# EAGLE board Mk4 Final a Panel score (EAGLE 9.0.1), part 11 of 24 (continued)
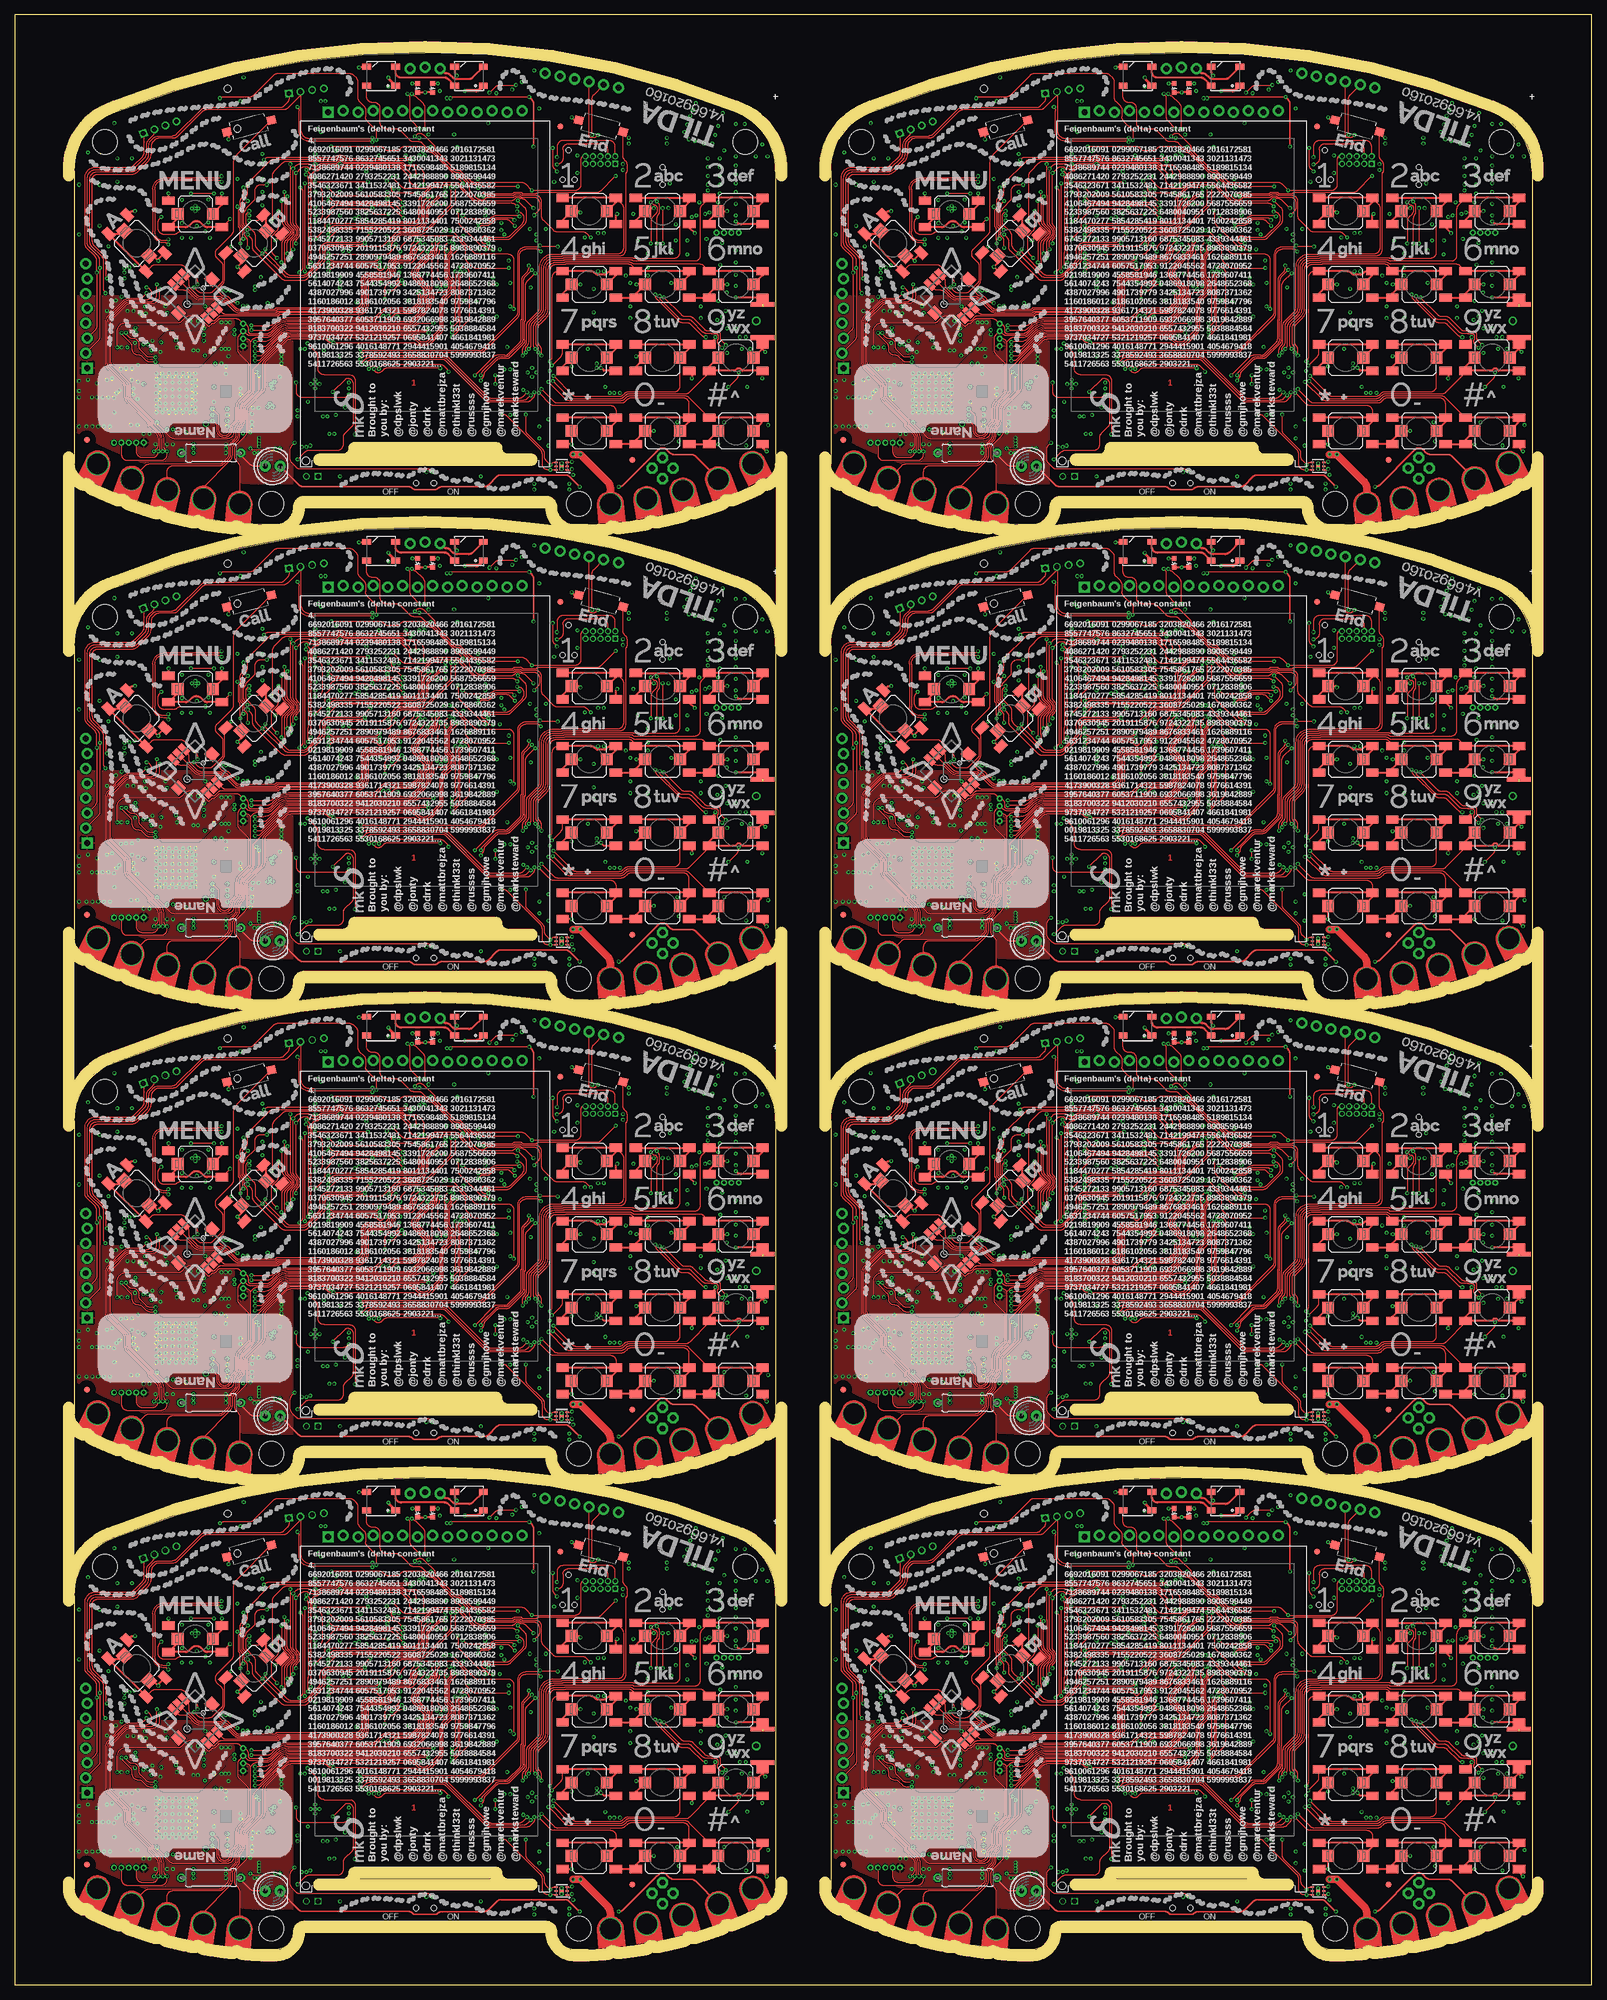
[diagram p0: board, top side]
## Tracks (layer width: path | path; a pad name or v marks a point on that pad's centre or on a via) (continued)
  Top 0.4: S52.A2 127.53,125.73 J29.G@3
  GND@3 0.4: v32.45,115.85 29.8,113.2 v29.8,112.85 | v27.5,118.5 26.75,117.75 26.75,113.6 v27.5,112.85 | v25,118.1 25.75,117.35 25.75,113.4 v26.3,112.85
  Bottom 0.15: J21.32 66.75,125.25 | J21.31 67.25,125 | J21.30 67.75,125 | J21.29 68.25,125 | J21.28 68.75,125 | J21.27 69.25,125 | J21.26 69.75,125 | J21.25 70.25,125 | J21.24 70.75,125 | J21.23 71.25,125 | J21.22 71.75,125 | J21.21 72.25,125 | J21.20 72.75,125 | J21.19 73.25,125 | J21.18 73.75,125 | J21.17 74.25,125 | J21.16 74.75,125 | J21.15 75.25,125 | J21.14 75.75,125 | J21.13 76.25,125 | J21.12 76.75,125 | J21.11 77.25,125 | IC38.58 v63.6,143.8 | IC38.55 v63.6,142.6 | IC41.3 85.05,161 v84.85,161.2 | ANT6.3 116.79,158.9 v116.15,158.9 | v115.7,157.75 115.8,157.65 115.94,157.65 115.84,157.75 v115.7,157.75 | ANT6.2 116.05,157.4 v115.7,157.75 | ANT6.4 120.28,157.2 v120.75,157.2 | IC47.PAD v28.1,110.1 | IC47.PAD v26.9,110.1 | IC47.PAD v26.9,108.9 | IC47.PAD v28.1,108.9 | v26.9,111.3 27.5,111.9 v27.5,112.85 | v26.3,112.85 26.3,111.9 v25.7,111.3 25.75,111.35 | v29.3,111.3 29.3,112.35 v29.8,112.85 | v85.5,105.75 C318.2 86,106.5 arc90 86.5,107 86.5,107.5 arc90 86,108 IC50.2 85.46,108 arc45 85.1,107.85 84.9,107.65 arc-45 84.54,107.5 IC50.4 | C320.2 94.45,97.5 | v111.25,153 C269.2 | C272.2 v111.25,152 | C270.2 v104.75,153 | C268.2 v104.75,152 | v28.55,142.4 28.25,142.7 R233.2
  Bottom 0.2: C231.1 72.6,130.85 IC38.10 | IC38.17 69.8,131.01 arc-45 69.65,130.65 C230.1 v69.5,129.75 | IC38.48 61.46,139.8 arc-45 C228.1 | IC38.114 78.74,139.4 arc45 79.44,139.69 C227.1 | IC38.80 69.8,149.05 69.97,149.22 | X12.4 17.88,108.42 17.7,108.6 v16.9,108.6 | X12.2 19.73,104.08 v19.8,104 | IC49.23 85.8,113.75 arc-45 85.66,113.81 85.25,114.22 arc-90 85.25,114.25 | 85.25,114.25 v85.25,114.5 | IC49.24 85.25,114.25 | IC49.18 87,110.25 v86.75,110 | IC49.9 v91.25,113.25 | IC42.17 50.5,108.5 v50,108 IC42.18 | J24.GND4 121,103.05 | 94.45,97.5 arc45 v95.05,97.75 | v35.3,144.5 C322.2 | IC44.4 91.97,144.72 C287.1
  Bottom 0.25: J21.50 57.75,124.45 v58.25,124.95 | J21.49 v58.25,124.95 | J21.48 58.75,124.45 v58.25,124.95 | J21.43 61.25,125 | J21.6 v79.75,122.5 | v72,127.75 72,128.62 C232.1 72.25,129.12 C231.1 | v60,140.1 C228.1 | v80.25,139.75 C227.1 | v70,150 C229.1 69.97,149.22 | C226.1 C234.1 v71,151.45 | v59,144.25 R165.2 | C233.1 69.05,151.25 v69.65,150.65 | v79.5,95.25 S61.1 | v55.5,95.25 S62.1 | C237.1 v66.7,150 | C236.1 v62.1,150 | v75.5,151.45 C235.1 | R227.2 v29.25,102.75 | v31.35,140.95 IC46.PAD v30.8,140.5 | C252.2 42.88,102.22 | v89.45,158 C223.1 | v72.5,161 C221.1
  Bottom 0.3: 81.45,161.3 v82.15,160.6 | v36,114 R226.2 | v18.25,117.25 C295.1 | v20.5,118 20.62,117.88 C300.2 | v100.5,130.25 C278.2 | v99.5,130.25 C275.2 | v100.5,136.75 C274.2 | C276.2 v99.5,136.75 | IC39.8 104.1,129.65 v104.25,129.5 | R200.2 v98.75,127.25 | R192.2 v98.75,121.25 | R199.2 v98.75,123.25 | IC39.13 106.1,135.65 v106.25,135.5 | IC39.21 114.9,135.65 v114.75,135.5 | Q11.2 98.65,117.15 R190.2 v97.75,117 | C287.1 v92,145.5 | v96,147 95.91,147.09 JP19.5 | C280.1 v103.75,148.5 | IC45.7 97.19,136.81 R211.1 v97.25,136 | v105.5,140 C265.1 | v109,141 108.5,140.5 C264.1 | C263.1 v111.5,141 | J24.GND3 115.21,113.06 arc-45 115.5,112.36 v115.5,112 | 127.38,115.5 J24.GND2 127.5,115.59 arc-45 127.79,116.29 v128,116.5 | 128.17,113 J24.C4 127.79,112.74 arc45 127.5,112.04 v127.5,112 | v128.5,104 128.38,104 J24.GND1 | v113.25,101.25 R215.2 114.92,101.25 Q10.2 | C266.1 v124.75,100.5 | J24.C5 120.85,104.65 v121,104.5 121,103.05 | v113,104.5 113.23,104.27 114.25,104.27 J24.GND6 | C220.1 v80.25,134 | C225.1 v83,137.25 | C224.1 v83,138.5 | Q9.4 Q9.EP2 | C246.1 v55.5,129.25 | IC37.28 41.07,129.25 v42,129.25 | C242.1 v38,141.25 | IC37.46 42.2,143.7 v42.25,143.75 | C245.1 v38,146 | IC37.54 41.89,150.1 arc45 v42.25,150.25 | IC37.52 v42.25,148.5 | C244.1 v54.75,150.75 | C240.1 v55.5,148.5 | IC37.6 51.4,146.1 v51.25,146.25 | C241.1 v55.5,143.75 | C243.1 v55.5,139.75 | R175.1 v57,110.25 | R177.2 v57,111.25 | R179.2 52.15,116.5 arc45 v52.75,116.75 | v36,127 C261.1 | v36.75,127 36.75,126.5 C261.1 | v35.25,127 35.25,126.5 C261.1 | IC37.12 51.3,141.3 v51.25,141.25 | R219.2 v19.25,123.45 | R220.2 v20.25,123.45 | R207.2 v89,135.5 | v30.05,135.95 C293.2 | v112.75,135.5 112.7,135.55 IC39.19 112.7,138.2 v112.75,138.25
  Bottom 0.3: R217.2 39.95,102.5 v40.2,102.75 | IC49.25 v87.5,113 | v70.6,153.55 70.67,153.55 X10.4 | X10.2 74.83,153.55 v74.95,153.55 | v86.5,162.5 C238.1 | v88.6,164.5 R169.2 | C222.1 v80.75,155.5 | C279.1 v87.9,137.45 | J26.8 J26.4 | J28.8 J28.4 | IC37.41 40.05,139.7 v40,139.75 | J24.GND5 121.11,115.91 v121.5,116.3 120.94,116.3 arc-45 120.23,116.59 IC43.3 | IC39.33 117.3,121.95 v117,122.25 | v121.45,126.6 C281.1 | v120.7,121.5 D6.2 | v120.7,122.5 C282.1 | v15.75,111.75 C285.1 | v12.5,111.75 C286.1 | 36.55,117.8 C303.2 35.95,117.8 | IC53.2 v94.6,94 | C323.2 v88.6,93 | IC53.3 v94.6,93 | v117,124.25 117.1,124.15 IC39.31
  Bottom 0.35: v36.55,117 36.55,117.8 | v35.95,117 35.95,117.8
  Bottom 0.4: C305.2 32.1,115.5 v32.45,115.85 | v35.25,114.5 C299.2 | v36,112.75 C311.2 | C301.2 32.12,120.62 v32.25,120.5 | C301.2 v31.25,121.75 | v30,121.75 C302.2 C301.2 | C306.2 26.9,117.9 v27.5,118.5 27.4,118.4 | C304.2 v25,118.1 | v23.5,118.4 24.1,117.8 C298.2 | v38.5,109.25 C316.1 | v38.5,110.25 C317.1 | v36.25,105.75 C312.2 | C308.2 v34,108 | C294.1 v25.75,124.25 | C314.1 v20.95,108.5 | C310.2 v20.25,109.25 | C296.2 v20.25,110.25 | C315.1 v20.95,104 | R218.2 v22,102.5 | R221.2 v23,102.5 | R228.2 v24,100.75 | C313.2 v27,100.75 | C307.2 v26,100.75 | v36.5,115.75 C309.2 35.4,116.64 arc45 v35.25,117 | IC48.4 19.12,129.16 arc45 v18.75,129 | v36.25,103.75 R185.2 | v83.5,113.5 C239.1 | v48.25,105.5 48.85,105.5 C259.2 48.85,106.5 v48.25,106.5 | S60.2 69.4,96 v70.25,96 | Q9.EP2 84.4,124.35 v84.5,124.25 | v84.5,128.25 IC40.4 | 46.75,115.75 C260.2 46.38,115.25 v45.5,115.25 | 46.62,116 v45.5,116 | C256.2 45.6,114.4 v45.5,114.5 | v45.25,112.25 45.25,111.33 C257.1 | 11,108.6 v11,108.75 ANT5.4 | ANT5.3 v11,103.75 | ANT5.2 12.25,104.7 v12.25,103.75 | C262.1 v36,100 | C262.1 35.5,100.75 v36,100.75 | C262.1 35.5,99.25 v36,99.25 | J27.4 38.94,158.81 v38.5,159.25 | C219.2 63.88,161.62 v63.75,161.75 | IC54.3 97.26,95.15 arc-45 96.56,95.44 C324.2 95.68,95.68 arc-45 v95.25,95.5 | TP55.TP 41.75,107.1 v41.6,106.95
  Bottom 0.5: v22.35,123.05 22.35,122.5 C297.2 21.35,122.5 v21.35,123.05
  Bottom 1: J22.1 91.05,101.8 C254.2 | C254.2 89.6,101.85 v89.5,101.75 | C254.2 v91,100.5 | v56.35,107 C255.2 54.65,105.85 v54.75,105.75
  other vias: 67.25,125.25 76.75,125.25 60.9,128.15 30.8,141.4 30.25,140.95 120.7,135.1 120.35,131.35 120,155 119.5,153.5 119,152 117.5,152 116,152.5 115,152.75 114.25,154 114.75,155.25 115.25,156.75 25.7,110.1 25.7,108.9 25.7,107.7 26.9,107.7 28.1,107.7 29.3,107.7 29.3,108.9 29.3,110.1 28.1,111.3 21,114.25 21,111.35 17,106.2 16.25,103.75 15.25,103.75 14.25,103.75 13.25,103.75 16,108.75 15,108.75 14,108.75 13.2,108.75 89,113 88.25,113.75 88.25,112.25 99.25,114.5 99.25,113.75 124,117 123,127.75 123,129.65 123,131.75 123,133.75 123,139.75 123,141.75 123,143.75 123,148.25 123,149.85 126.4,149.85 128.4,149.85 51.25,111 52,111 51.25,111.75 51.25,110.25 50.5,111 33.3,135.95 28.55,135.95 28.55,138.45 33.05,138.55 33.05,142.45 41.7,101.85 41.7,101.35 41.7,100.35 41.7,100.85 40.9,99.25 41.6,99.25 40.6,106.95 40.5,105.95 40.5,103.75 40.5,104.55 24.75,110.1 24.75,108.9 24.75,107.7 24.75,111.3 30.25,110.1 30.25,108.9 30.25,107.7 30.25,111.3 25.7,106.75 26.9,106.75 28.1,106.75 29.3,106.75 25.7,112.25 26.9,112.25 28.1,112.25 29.3,112.25 30.25,106.75 30.25,112.25 24.75,112.25 24.75,106.75 28.7,112.85 25.2,112.85 24.15,112.85 24.15,111.8 27.5,106.15 28.7,106.15 29.9,106.15 26.3,106.15 25.2,106.15 30.85,109.45 30.85,108.25 30.85,107.05 30.85,110.65 24.15,109.5 24.15,108.3 24.15,107.2 24.15,110.7 30.85,111.75 30.85,112.85 30.85,106.15 24.15,106.15 124.7,119 123.7,119 125.5,117 120,125.2 14.5,145 14.5,138 17.5,145.5 17.5,149.5 20,149.5 17,155.5 12.5,150.5 11,145 11,136.5 16,134.5 17.25,125.25 11,111.5 108,122.25 105,122.25 105,124.25 105,128.25 112,128.25 114.7,133.1 112,133.75 118,135.75 121.5,120.5 121.25,123.5 123,145.25 123,146.75 121,150.85 123,155.35 127.5,151.85 124.5,155.35 119.85,121.95 123,120.5 16.6,111.95 17.35,109.45 17.85,109.95 20,111.7 19,113.7 20,113.7 18.1,113.6 120.25,149.5 118.25,149.5 120.25,148 118.25,148 120.25,146.5 118.25,146.5 120.25,145 118.25,145 120.25,143.5 118.25,144 116.75,142 116.25,139.75 115.5,139.5 117.75,140 118.5,140.25 120,142 15.75,123.5 14,111.15 11,109.85 108,133.25 108,129.5 108,130.9
  pour GND@3 (isolate 0.254, rank 6): 10.2,149.5 10.2,96 arc31 42,87 44.7,87 arc90 47.5,89.8 arc-90 49.5,91.8 90.5,91.8 arc-90 92.5,89.8 arc90 95.3,87 98,87 arc31 129.8,96 129.8,119.5 123.5,119.5 123.5,149.5 129.8,149.5 arc64 123.25,157.25 arc24 70,167.5 arc24 16.75,157.25 arc55
  pour Bottom (rank 6): 77.25,123.9 77.25,125.25 77,125.5 67,125.5 66.75,125.25 66.75,123.9
  pour Bottom (isolate 0.254, rank 6): 10.2,149.5 10.2,103 arc9 21,98 21,110 23,110 23,116 21,116 21,118 arc90 20,119 19,119 arc-90 18,120 18,140.71 arc-90 30.79,153.5 38.5,153.5 42,157 100.5,156.5 arc-90 103,154 103,119.5 114.09,119.5 arc-45 114.79,119.21 117.21,116.79 arc45 117.91,116.5 129.8,116.5 129.8,119.5 123.5,119.5 123.5,149.5 129.8,149.5 arc64 123.25,157.25 arc24 70,167.5 arc24 16.75,157.25 arc55
  pour Bottom (rank 2, no thermals): 111.5,120 113,120 113,117.5 112.41,117.5 arc45 111.71,117.21 111.29,116.79 arc45 111,116.09 111,114 arc-90 110,113 99.5,113 arc-90 98.5,114 arc-90 99.5,115 107.75,115 arc90 108.75,116 108.75,116.09 arc-45 109.04,116.79 109.71,117.46 arc-45 110.41,117.75 110.59,117.75 arc45 111.29,118.04 111.5,118.25
  pour Bottom (no thermals): 61.5,126.5 61.5,125.2 61.3,125 61.2,125 61,125.2 61,126.25 60.5,126.75 60.5,128.3 60.7,128.5 61.05,128.5 61.25,128.3 61.25,126.75
  pour Bottom: 33.55,135.95 33.55,141.95 arc90 32.55,142.95 29.05,142.95 arc90 28.05,141.95 28.05,135.95 arc90 29.05,134.95 32.55,134.95 arc90
  pour Bottom (no thermals): 47.4,114 47.4,115.1 47.2,115.3 47.2,116.05 47,116.25 45.75,116.25 45.25,115.75 45.25,114.25 45.5,114
  pour Bottom (no thermals): 41.9,101.8 41.9,99.3 arc-90 41.4,98.8 40.45,98.8 arc-90 39.95,99.3 39.95,106.65 arc-90 40.45,107.15 41.55,107.15 arc-90 42.05,106.65 42.05,103.1 arc90 42.55,102.6 43.8,102.6 43.85,102.55 43.85,101.9 43.75,101.8
  pour Top (rank 6): 10.2,126 10.2,103 arc34 47,94 47.5,94 47.5,126
GND3  (via drill 0.3)  (1 unrouted)
  Top 0.15: IC70.3 223.3,97.65 223.25,97.6 IC70.2 | v222.3,96.5 IC70.PAD v222.3,97.5
  Top 0.2: 223.3,97.65 223.95,97.65 v224.05,97.75
  Top 0.3: S70.1 234.95,113.95 S70.A1 | S66.A1 222.45,113.95 S66.1 v224,114 | S67.A1 222.45,101 222.7,100.75 v224,100.75 S67.1 | S75.1 247.45,101.45 S75.A1 | S74.1 256.55,117.05 S74.A1 | 247.45,138.5 247.45,138.95 S72.1 v250.5,140.5 | 247.45,138.5 S72.A1 | S68.A1 234.95,138.95 S68.1 237,141 v238,141 | S64.A1 222.45,138.95 S64.1 225.25,140.5 v225.5,140.25 | S65.A1 222.45,126.45 S65.1 v225.5,128 | 234.95,126 234.95,126.45 S69.1 v235.05,128 | 234.95,126 S69.A1 | S64.A2 231.55,139.8 v231.75,140 | 247.2,138.25 247.45,138.5 | S73.A2 v252,125.75 | v250.5,128 S73.1 247.45,126.45 S73.A1 S69.A2 | 231.5,113.3 S66.A2 229.5,113.25 v229,113.75 | S70.1 236,116 | S75.A2 256.5,100.75 256.5,100.25 v257.25,99.5 | S71.A2 S75.A1 | v238,103 S71.1 234.95,101.45 S71.A1 S67.A2 | S65.A2 234.7,125.75 234.95,126 | S80.1 224.49,156.01 v224,156.5 | LED21.C v199.03,160.75 LED22.C | LED19.3 188.95,165 v187.75,165 | S72.A2 252.91,138.25 arc-45 252.21,138.54 v252,138.75 | 154.61,133.39 S77.A1 153.5,132.26 v153.5,132 152.62,132.88 S77.1 | S77.A2 148.57,140.21 arc-45 149.28,140.5 v149.5,140.5 | S75.A1 v249,100.75 | S68.A2 244.05,137.7 v245,136.75 | S70.1 236.25,115.75 v235,115.75 | S70.A2 244.5,112.8 v244.5,112 | S78.A2 v155.25,143.5 | S78.1 164.35,141.55 S78.A1 v164.35,143.5 | S79.1 165.5,153.72 v165.5,152.75 | S76.A1 167.81,130.19 v167,131 167.68,131.68 S76.1 | v173.5,135.5 174.61,136.61 S76.A2 | LED20.3 204.05,164.36 arc45 204.34,163.66 v204.4,163.6 | S74.A2 248.5,118.8 v248.5,119 | S74.A1 256.55,116.95 v257,116.5 | S74.A1 256.53,117.77 J39.G@4
  Top 0.4: S73.A2 256.53,125.73 J39.G@3
  GND@3 0.4: v161.45,115.85 158.8,113.2 v158.8,112.85 | v156.5,118.5 155.75,117.75 155.75,113.6 v156.5,112.85 | v154,118.1 154.75,117.35 154.75,113.4 v155.3,112.85
  Bottom 0.15: J31.32 195.75,125.25 | J31.31 196.25,125 | J31.30 196.75,125 | J31.29 197.25,125 | J31.28 197.75,125 | J31.27 198.25,125 | J31.26 198.75,125 | J31.25 199.25,125 | J31.24 199.75,125 | J31.23 200.25,125 | J31.22 200.75,125 | J31.21 201.25,125 | J31.20 201.75,125 | J31.19 202.25,125 | J31.18 202.75,125 | J31.17 203.25,125 | J31.16 203.75,125 | J31.15 204.25,125 | J31.14 204.75,125 | J31.13 205.25,125 | J31.12 205.75,125 | J31.11 206.25,125 | IC56.58 v192.6,143.8 | IC56.55 v192.6,142.6 | IC59.3 214.05,161 v213.85,161.2 | ANT8.3 245.79,158.9 v245.15,158.9 | v244.7,157.75 244.8,157.65 244.94,157.65 244.84,157.75 v244.7,157.75 | ANT8.2 245.05,157.4 v244.7,157.75 | ANT8.4 249.28,157.2 v249.75,157.2 | IC65.PAD v157.1,110.1 | IC65.PAD v155.9,110.1 | IC65.PAD v155.9,108.9 | IC65.PAD v157.1,108.9 | v155.9,111.3 156.5,111.9 v156.5,112.85 | v155.3,112.85 155.3,111.9 v154.7,111.3 154.75,111.35 | v158.3,111.3 158.3,112.35 v158.8,112.85 | v214.5,105.75 C426.2 215,106.5 arc90 215.5,107 215.5,107.5 arc90 215,108 IC68.2 214.46,108 arc45 214.1,107.85 213.9,107.65 arc-45 213.54,107.5 IC68.4 | C428.2 223.45,97.5 | v240.25,153 C377.2 | C380.2 v240.25,152 | C378.2 v233.75,153 | C376.2 v233.75,152 | v157.55,142.4 157.25,142.7 R311.2
  Bottom 0.2: C339.1 201.6,130.85 IC56.10 | IC56.17 198.8,131.01 arc-45 198.65,130.65 C338.1 v198.5,129.75 | IC56.48 190.46,139.8 arc-45 C336.1 | IC56.114 207.74,139.4 arc45 208.44,139.69 C335.1 | IC56.80 198.8,149.05 198.97,149.22 | X16.4 146.88,108.42 146.7,108.6 v145.9,108.6 | X16.2 148.72,104.08 v148.8,104 | IC67.23 214.8,113.75 arc-45 214.66,113.81 214.25,114.22 arc-90 214.25,114.25 | 214.25,114.25 v214.25,114.5 | IC67.24 214.25,114.25 | IC67.18 216,110.25 v215.75,110 | IC67.9 v220.25,113.25 | IC60.17 179.5,108.5 v179,108 IC60.18 | J34.GND4 250,103.05 | 223.45,97.5 arc45 v224.05,97.75 | v164.3,144.5 C430.2 | IC62.4 220.97,144.72 C395.1
  Bottom 0.25: J31.50 186.75,124.45 v187.25,124.95 | J31.49 v187.25,124.95 | J31.48 187.75,124.45 v187.25,124.95 | J31.43 190.25,125 | J31.6 v208.75,122.5 | v201,127.75 201,128.62 C340.1 201.25,129.12 C339.1 | v189,140.1 C336.1 | v209.25,139.75 C335.1 | v199,150 C337.1 198.97,149.22 | C334.1 C342.1 v200,151.45 | v188,144.25 R243.2 | C341.1 198.05,151.25 v198.65,150.65 | v208.5,95.25 S82.1 | v184.5,95.25 S83.1 | C345.1 v195.7,150 | C344.1 v191.1,150 | v204.5,151.45 C343.1 | R305.2 v158.25,102.75 | v160.35,140.95 IC64.PAD v159.8,140.5 | C360.2 171.88,102.22 | v218.45,158 C331.1 | v201.5,161 C329.1
  Bottom 0.3: 210.45,161.3 v211.15,160.6 | v165,114 R304.2 | v147.25,117.25 C403.1 | v149.5,118 149.62,117.88 C408.2 | v229.5,130.25 C386.2 | v228.5,130.25 C383.2 | v229.5,136.75 C382.2 | C384.2 v228.5,136.75 | IC57.8 233.1,129.65 v233.25,129.5 | R278.2 v227.75,127.25 | R270.2 v227.75,121.25 | R277.2 v227.75,123.25 | IC57.13 235.1,135.65 v235.25,135.5 | IC57.21 243.9,135.65 v243.75,135.5 | Q15.2 227.65,117.15 R268.2 v226.75,117 | C395.1 v221,145.5 | v225,147 224.91,147.09 JP28.5 | C388.1 v232.75,148.5 | IC63.7 226.19,136.81 R289.1 v226.25,136 | v234.5,140 C373.1 | v238,141 237.5,140.5 C372.1 | C371.1 v240.5,141 | J34.GND3 244.21,113.06 arc-45 244.5,112.36 v244.5,112 | 256.38,115.5 J34.GND2 256.5,115.59 arc-45 256.79,116.29 v257,116.5 | 257.17,113 J34.C4 256.79,112.74 arc45 256.5,112.04 v256.5,112 | v257.5,104 257.38,104 J34.GND1 | v242.25,101.25 R293.2 243.93,101.25 Q14.2 | C374.1 v253.75,100.5 | J34.C5 249.85,104.65 v250,104.5 250,103.05 | v242,104.5 242.23,104.27 243.25,104.27 J34.GND6 | C328.1 v209.25,134 | C333.1 v212,137.25 | C332.1 v212,138.5 | Q13.4 Q13.EP2 | C354.1 v184.5,129.25 | IC55.28 170.07,129.25 v171,129.25 | C350.1 v167,141.25 | IC55.46 171.2,143.7 v171.25,143.75 | C353.1 v167,146 | IC55.54 170.89,150.1 arc45 v171.25,150.25 | IC55.52 v171.25,148.5 | C352.1 v183.75,150.75 | C348.1 v184.5,148.5 | IC55.6 180.4,146.1 v180.25,146.25 | C349.1 v184.5,143.75 | C351.1 v184.5,139.75 | R253.1 v186,110.25 | R255.2 v186,111.25 | R257.2 181.15,116.5 arc45 v181.75,116.75 | v165,127 C369.1 | v165.75,127 165.75,126.5 C369.1 | v164.25,127 164.25,126.5 C369.1 | IC55.12 180.3,141.3 v180.25,141.25 | R297.2 v148.25,123.45 | R298.2 v149.25,123.45 | R285.2 v218,135.5
  Bottom 0.3: v159.05,135.95 C401.2 | v241.75,135.5 241.7,135.55 IC57.19 241.7,138.2 v241.75,138.25 | R295.2 168.95,102.5 v169.2,102.75 | IC67.25 v216.5,113 | v199.6,153.55 199.68,153.55 X14.4 | X14.2 203.82,153.55 v203.95,153.55 | v215.5,162.5 C346.1 | v217.6,164.5 R247.2 | C330.1 v209.75,155.5 | C387.1 v216.9,137.45 | J36.8 J36.4 | J38.8 J38.4 | IC55.41 169.05,139.7 v169,139.75 | J34.GND5 250.11,115.91 v250.5,116.3 249.94,116.3 arc-45 249.23,116.59 IC61.3 | IC57.33 246.3,121.95 v246,122.25 | v250.45,126.6 C389.1 | v249.7,121.5 D8.2 | v249.7,122.5 C390.1 | v144.75,111.75 C393.1 | v141.5,111.75 C394.1 | 165.55,117.8 C411.2 164.95,117.8 | IC71.2 v223.6,94 | C431.2 v217.6,93 | IC71.3 v223.6,93 | v246,124.25 246.1,124.15 IC57.31
  Bottom 0.35: v165.55,117 165.55,117.8 | v164.95,117 164.95,117.8
  Bottom 0.4: C413.2 161.1,115.5 v161.45,115.85 | v164.25,114.5 C407.2 | v165,112.75 C419.2 | C409.2 161.12,120.62 v161.25,120.5 | C409.2 v160.25,121.75 | v159,121.75 C410.2 C409.2 | C414.2 155.9,117.9 v156.5,118.5 156.4,118.4 | C412.2 v154,118.1 | v152.5,118.4 153.1,117.8 C406.2 | v167.5,109.25 C424.1 | v167.5,110.25 C425.1 | v165.25,105.75 C420.2 | C416.2 v163,108 | C402.1 v154.75,124.25 | C422.1 v149.95,108.5 | C418.2 v149.25,109.25 | C404.2 v149.25,110.25 | C423.1 v149.95,104 | R296.2 v151,102.5 | R299.2 v152,102.5 | R306.2 v153,100.75 | C421.2 v156,100.75 | C415.2 v155,100.75 | v165.5,115.75 C417.2 164.4,116.64 arc45 v164.25,117 | IC66.4 148.12,129.16 arc45 v147.75,129 | v165.25,103.75 R263.2 | v212.5,113.5 C347.1 | v177.25,105.5 177.85,105.5 C367.2 177.85,106.5 v177.25,106.5 | S81.2 198.4,96 v199.25,96 | Q13.EP2 213.4,124.35 v213.5,124.25 | v213.5,128.25 IC58.4 | 175.75,115.75 C368.2 175.38,115.25 v174.5,115.25 | 175.62,116 v174.5,116 | C364.2 174.6,114.4 v174.5,114.5 | v174.25,112.25 174.25,111.33 C365.1 | 140,108.6 v140,108.75 ANT7.4 | ANT7.3 v140,103.75 | ANT7.2 141.25,104.7 v141.25,103.75 | C370.1 v165,100 | C370.1 164.5,100.75 v165,100.75 | C370.1 164.5,99.25 v165,99.25 | J37.4 167.94,158.81 v167.5,159.25 | C327.2 192.88,161.62 v192.75,161.75 | IC72.3 226.26,95.15 arc-45 225.56,95.44 C432.2 224.68,95.68 arc-45 v224.25,95.5 | TP74.TP 170.75,107.1 v170.6,106.95
  Bottom 0.5: v151.35,123.05 151.35,122.5 C405.2 150.35,122.5 v150.35,123.05
  Bottom 1: J32.1 220.05,101.8 C362.2 | C362.2 218.6,101.85 v218.5,101.75 | C362.2 v220,100.5 | v185.35,107 C363.2 183.65,105.85 v183.75,105.75
  other vias: 196.25,125.25 205.75,125.25 189.9,128.15 159.8,141.4 159.25,140.95 249.7,135.1 249.35,131.35 249,155 248.5,153.5 248,152 246.5,152 245,152.5 244,152.75 243.25,154 243.75,155.25 244.25,156.75 154.7,110.1 154.7,108.9 154.7,107.7 155.9,107.7 157.1,107.7 158.3,107.7 158.3,108.9 158.3,110.1 157.1,111.3 150,114.25 150,111.35 146,106.2 145.25,103.75 144.25,103.75 143.25,103.75 142.25,103.75 145,108.75 144,108.75 143,108.75 142.2,108.75 218,113 217.25,113.75 217.25,112.25 228.25,114.5 228.25,113.75 253,117 252,127.75 252,129.65 252,131.75 252,133.75 252,139.75 252,141.75 252,143.75 252,148.25 252,149.85 255.4,149.85 257.4,149.85 180.25,111 181,111 180.25,111.75 180.25,110.25 179.5,111 162.3,135.95 157.55,135.95 157.55,138.45 162.05,138.55 162.05,142.45 170.7,101.85 170.7,101.35 170.7,100.35 170.7,100.85 169.9,99.25 170.6,99.25 169.6,106.95 169.5,105.95 169.5,103.75 169.5,104.55 153.75,110.1 153.75,108.9 153.75,107.7 153.75,111.3 159.25,110.1 159.25,108.9 159.25,107.7 159.25,111.3 154.7,106.75 155.9,106.75 157.1,106.75 158.3,106.75 154.7,112.25 155.9,112.25 157.1,112.25 158.3,112.25 159.25,106.75 159.25,112.25 153.75,112.25 153.75,106.75 157.7,112.85 154.2,112.85 153.15,112.85 153.15,111.8 156.5,106.15 157.7,106.15 158.9,106.15 155.3,106.15 154.2,106.15 159.85,109.45 159.85,108.25 159.85,107.05 159.85,110.65 153.15,109.5 153.15,108.3 153.15,107.2 153.15,110.7 159.85,111.75 159.85,112.85 159.85,106.15 153.15,106.15 253.7,119 252.7,119 254.5,117 249,125.2 143.5,145 143.5,138 146.5,145.5 146.5,149.5 149,149.5 146,155.5 141.5,150.5 140,145 140,136.5 145,134.5 146.25,125.25 140,111.5 237,122.25 234,122.25 234,124.25 234,128.25 241,128.25 243.7,133.1 241,133.75 247,135.75 250.5,120.5 250.25,123.5 252,145.25 252,146.75 250,150.85 252,155.35 256.5,151.85 253.5,155.35 248.85,121.95 252,120.5 145.6,111.95 146.35,109.45 146.85,109.95 149,111.7 148,113.7 149,113.7 147.1,113.6 249.25,149.5 247.25,149.5 249.25,148 247.25,148 249.25,146.5 247.25,146.5 249.25,145 247.25,145 249.25,143.5 247.25,144 245.75,142 245.25,139.75 244.5,139.5 246.75,140 247.5,140.25 249,142 144.75,123.5 143,111.15 140,109.85 237,133.25 237,129.5 237,130.9
  pour GND@3 (isolate 0.254, rank 6): 139.2,149.5 139.2,96 arc31 171,87 173.7,87 arc90 176.5,89.8 arc-90 178.5,91.8 219.5,91.8 arc-90 221.5,89.8 arc90 224.3,87 227,87 arc31 258.8,96 258.8,119.5 252.5,119.5 252.5,149.5 258.8,149.5 arc64 252.25,157.25 arc24 199,167.5 arc24 145.75,157.25 arc55
  pour Bottom (rank 6): 206.25,123.9 206.25,125.25 206,125.5 196,125.5 195.75,125.25 195.75,123.9
  pour Bottom (isolate 0.254, rank 6): 139.2,149.5 139.2,103 arc9 150,98 150,110 152,110 152,116 150,116 150,118 arc90 149,119 148,119 arc-90 147,120 147,140.71 arc-90 159.79,153.5 167.5,153.5 171,157 229.5,156.5 arc-90 232,154 232,119.5 243.09,119.5 arc-45 243.79,119.21 246.21,116.79 arc45 246.91,116.5 258.8,116.5 258.8,119.5 252.5,119.5 252.5,149.5 258.8,149.5 arc64 252.25,157.25 arc24 199,167.5 arc24 145.75,157.25 arc55
  pour Bottom (rank 2, no thermals): 240.5,120 242,120 242,117.5 241.41,117.5 arc45 240.71,117.21 240.29,116.79 arc45 240,116.09 240,114 arc-90 239,113 228.5,113 arc-90 227.5,114 arc-90 228.5,115 236.75,115 arc90 237.75,116 237.75,116.09 arc-45 238.04,116.79 238.71,117.46 arc-45 239.41,117.75 239.59,117.75 arc45 240.29,118.04 240.5,118.25
  pour Bottom (no thermals): 190.5,126.5 190.5,125.2 190.3,125 190.2,125 190,125.2 190,126.25 189.5,126.75 189.5,128.3 189.7,128.5 190.05,128.5 190.25,128.3 190.25,126.75
  pour Bottom: 162.55,135.95 162.55,141.95 arc90 161.55,142.95 158.05,142.95 arc90 157.05,141.95 157.05,135.95 arc90 158.05,134.95 161.55,134.95 arc90
  pour Bottom (no thermals): 176.4,114 176.4,115.1 176.2,115.3 176.2,116.05 176,116.25 174.75,116.25 174.25,115.75 174.25,114.25 174.5,114
  pour Bottom (no thermals): 170.9,101.8 170.9,99.3 arc-90 170.4,98.8 169.45,98.8 arc-90 168.95,99.3 168.95,106.65 arc-90 169.45,107.15 170.55,107.15 arc-90 171.05,106.65 171.05,103.1 arc90 171.55,102.6 172.8,102.6 172.85,102.55 172.85,101.9 172.75,101.8
  pour Top (rank 6): 139.2,126 139.2,103 arc34 176,94 176.5,94 176.5,126
GND4  (via drill 0.3)  (1 unrouted)
  Top 0.15: IC88.3 94.3,178.65 94.25,178.6 IC88.2 | v93.3,177.5 IC88.PAD v93.3,178.5
  Top 0.2: 94.3,178.65 94.95,178.65 v95.05,178.75